# KiCad board q2v2.kicad_pcb (continued)
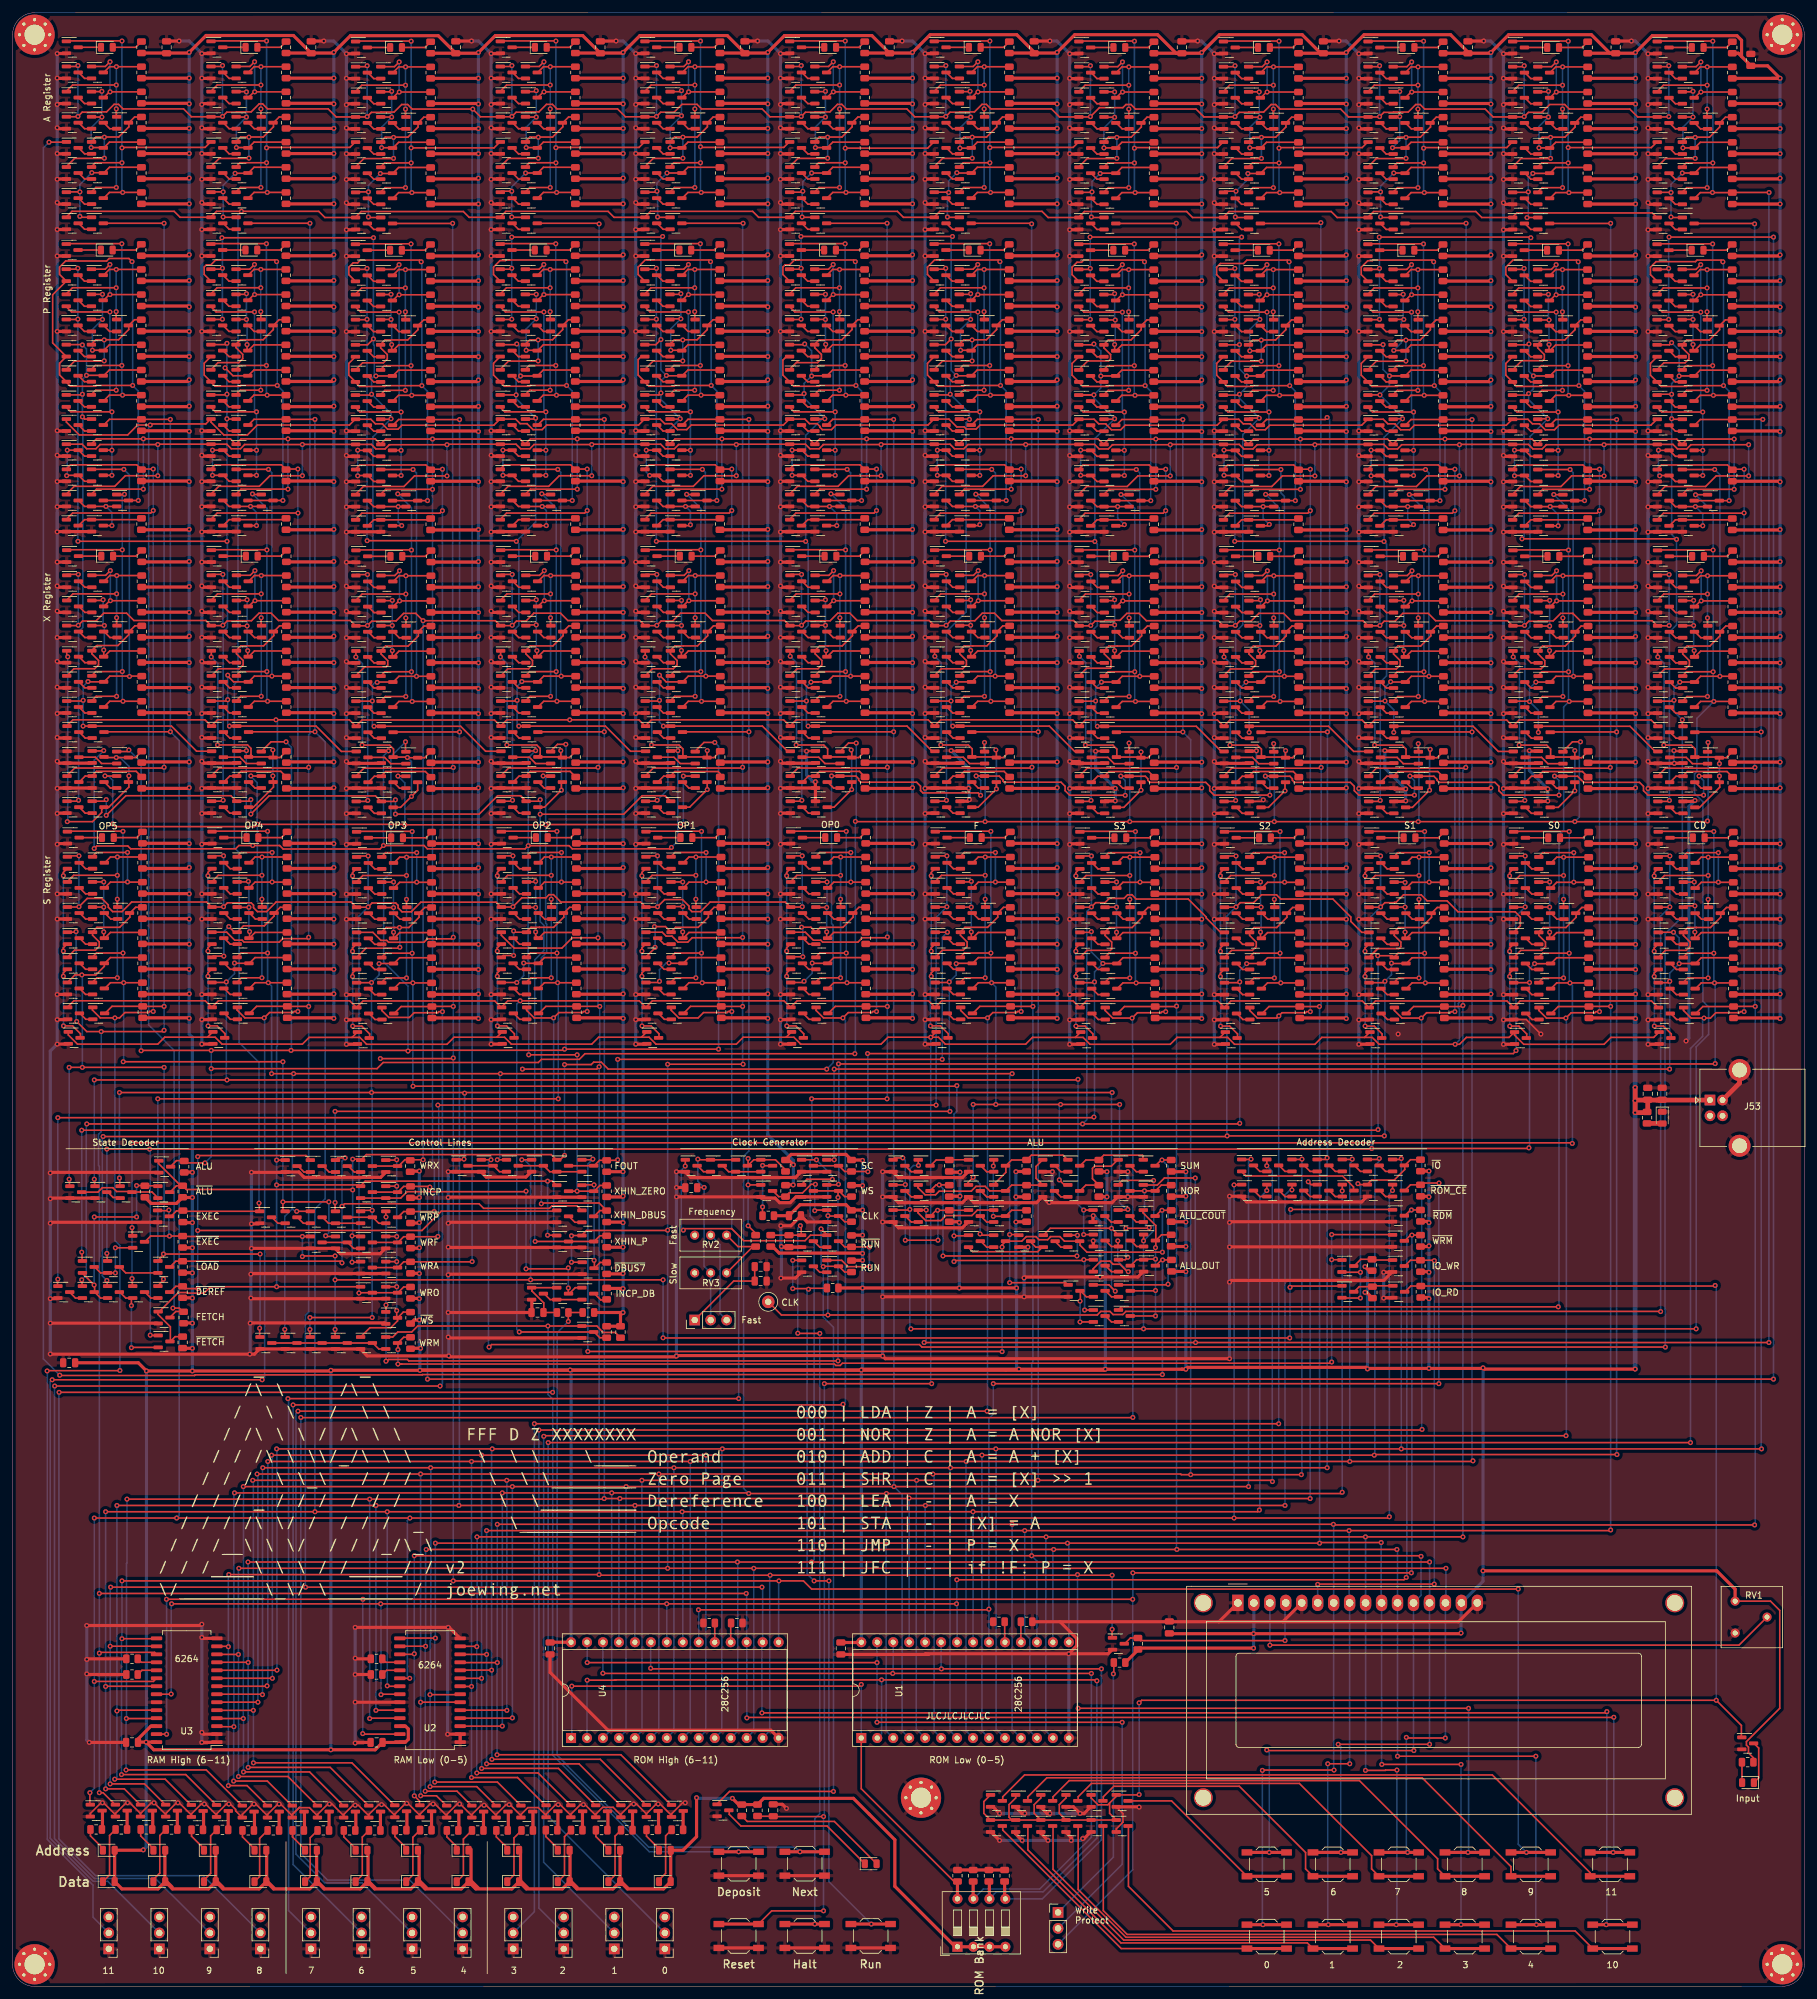
[diagram p0: board, top side]
## Routing (per net, layer and track width the routed paths; a pad name or vN(x,y) marks a point on that pad's centre or on a via; arc(x,y) is an arc through that point) (continued)
Net-(Q201-Pad2): length 2.4
  Top w0.25: 53.4,130.53 54.35,129.58 55.4,129.58
Net-(Q203-Pad2): length 6.4
  Top w0.25: 59.3,121.43 58.25,121.43 57.3,122.38 53.3,122.38
Net-(Q204-Pad2): length 2.4
  Top w0.25: 51.4,129.58 50.35,129.58 49.4,130.53
Net-(Q207-Pad2): length 2.4
  Top w0.25: 45.4,130.53 46.35,129.58 47.4,129.58
Net-(Q208-Pad2): length 6.4
  Top w0.25: 55.3,121.43 50.25,121.43 49.3,122.38
Net-(Q211-Pad2): length 2.4
  Top w0.25: 45.3,122.38 46.25,121.43 47.3,121.43
Net-(Q212-Pad2): length 10.4
  Top w0.25: 90.5,129.63 85.45,129.63 84.5,130.58 80.5,130.58
Net-(Q214-Pad2): length 2.4
  Top w0.25: 43.3,121.43 42.2,121.43 41.25,122.38
Net-(Q216-Pad2): length 6.4
  Top w0.25: 78.5,129.63 77.45,129.63 76.5,130.58 72.5,130.58
Net-(Q218-Pad2): length 18.4
  Top w0.25: 41.3,102.38 57.3,102.38 58.25,101.43 59.3,101.43
Net-(Q228-Pad2): length 6.4
  Top w0.25: 112.95,130.58 113.9,129.63 118.95,129.63
Net-(Q228-Pad3): length 22.4
  Top w0.25: 118.2,119.83 v1(117,121.03) ; v1(117,131.73) 117,130.63 ; Q229.1 121.35,131.53 122.95,129.92 ; 118.95,131.53 117.9,131.53 116.95,130.58 ; v1(117,127.53) 118.95,127.53
  Bottom w0.25: v1(117,121.03) v1(117,127.53) v1(117,131.73)
Net-(Q229-Pad3): length 9.6
  Top w0.25: Q229.3 119.35,130.58 v1(119.3,130.63) ; v1(119.3,124.03) 119.29,124.01 R99.2
  Bottom w0.25: v1(119.3,130.63) v1(119.3,124.03)
Net-(Q230-Pad3): length 14.1
  Top w0.25: v1(127.6,123.43) 127.7,123.53 129.45,123.53 ; 120.95,126.58 121.86,125.66 R96.2 123.54,126.25 125.65,126.25 127.02,127.63 v1(127.7,127.63)
  Bottom w0.25: v1(127.6,123.43) 127.6,127.53 v1(127.7,127.63)
Net-(Q232-Pad2): length 2.4
  Top w0.25: 110.95,129.63 109.9,129.63 108.95,130.58
Net-(Q236-Pad2): length 2.4
  Top w0.25: 127.45,118.58 128.4,117.63 129.45,117.63
Net-(Q236-Pad3): length 15.5
  Top w0.25: Q237.1 131.89,115.53 132.89,114.53 v1(136.3,114.53) ; 131.45,118.58 132.36,117.66 R100.2 136.26,117.66 v1(136.3,117.63)
  Bottom w0.25: v1(136.3,117.63) v1(136.3,114.53)
Net-(Q237-Pad2): length 2.4
  Top w0.25: 127.45,114.58 128.4,113.63 129.45,113.63
Net-(Q240-Pad2): length 6.4
  Top w0.25: 90.55,109.28 85.5,109.28 84.55,110.23
Net-(Q241-Pad3): length 2.4
  Top w0.25: 92.55,110.23 93.55,109.23 94.55,109.23
Net-(Q243-Pad2): length 2.4
  Top w0.25: 156,121.63 154.95,121.63 154,122.58
Net-(Q243-Pad3): length 14.6
  Top w0.25: R108.2 158.91,123.49 158,122.58 ; v1(156,130.53) 156.06,130.59 Q246.1 ; v1(156,122.53) 157.89,122.53
  Bottom w0.25: v1(156,130.53) v1(156,122.53)
Net-(Q244-Pad1): length 33.3
  Top w0.25: 151.96,123.49 v1(147.14,123.49) 146.91,123.49 146,122.58 ; 140,131.53 140.3,131.83 v1(141.6,131.83) ; v1(142,127.58) 141.95,127.53 140,127.53 ; v1(142,118.73) v1(147.2,118.73)
  Bottom w0.25: v1(147.14,123.49) 147.2,123.43 v1(147.2,118.73) ; v1(142,118.73) v1(142,127.58) 142,131.43 v1(141.6,131.83)
Net-(Q245-Pad2): length 2.4
  Top w0.25: 142,122.58 142.95,121.63 144,121.63
Net-(Q246-Pad2): length 2.4
  Top w0.25: 156,129.63 154.95,129.63 154,130.58
Net-(Q246-Pad3): length 14.7
  Top w0.25: 167.8,131.53 167.07,132.25 162.06,132.25 R110.2 158.91,131.49 158,130.58 158,129.53 156,127.53
Net-(Q248-Pad1): length 6.3
  Top w0.25: 146,130.58 146.91,131.49 R113.2 ; 152,131.53 149.04,131.53
Net-(Q249-Pad1): length 6.3
  Top w0.25: R105.2 214.21,111.34 213.4,110.53 ; 219.5,111.48 216.44,111.48
Net-(Q251-Pad2): length 2.4
  Top w0.25: 144,129.63 142.95,129.63 142,130.58
Net-(Q253-Pad2): length 2.4
  Top w0.25: 165.8,130.58 166.75,129.63 167.8,129.63
Net-(Q253-Pad3): length 11.4
  Top w0.25: 169.8,130.58 170.71,131.49 R114.2 173.56,132.25 179.72,132.25 179.8,132.18 179.8,131.53
Net-(Q254-Pad1): length 27.2
  Top w0.25: Q266.1 162.8,128.59 162.8,130.46 Q255.1 ; 163.76,127.49 R116.2 158.91,127.49 158,126.58 155.44,126.58 154.71,127.3 153.25,127.3 152.51,126.56 152.51,126.53 147.39,126.53 146.81,125.95 145.15,125.95 144.06,127.04 Q254.1 ; 144,127.53 144,127.1
Net-(Q254-Pad2): length 2.4
  Top w0.25: 144,125.63 142.95,125.63 142,126.58
Net-(Q254-Pad3): length 41.1
  Top w0.25: v1(169.3,116.23) v1(148,116.23) ; v1(169.38,119.51) 169.37,119.53 Q264.1 ; Q254.3 146.89,127.53 v1(147.4,127.53) 148.96,127.53
  Bottom w0.25: v1(147.4,127.53) 148,126.93 v1(148,116.23) ; v1(169.3,116.23) 169.38,116.31 v1(169.38,119.51)
Net-(Q256-Pad2): length 2.4
  Top w0.25: 156,125.63 154.95,125.63 154,126.58
Net-(Q257-Pad2): length 2.4
  Top w0.25: 177.8,130.58 178.75,129.63 179.8,129.63
Net-(Q260-Pad1): length 11.1
  Top w0.25: 175.8,131.53 174.78,130.5 172.11,130.5 171.77,130.16 171.77,128.51 R120.2 170.71,127.49 169.8,126.58
Net-(Q262-Pad2): length 2.4
  Top w0.25: 167.8,125.63 166.75,125.63 165.8,126.58
Net-(Q263-Pad2): length 2.4
  Top w0.25: 179.8,121.63 178.75,121.63 177.8,122.58
Net-(Q264-Pad2): length 2.4
  Top w0.25: 165.8,118.58 166.75,117.63 167.8,117.63
Net-(Q265-Pad2): length 2.4
  Top w0.25: 154,118.58 154.95,117.63 156,117.63
Net-(Q267-Pad2): length 2.4
  Top w0.25: 175.8,121.63 174.75,121.63 173.8,122.58
Net-(Q268-Pad2): length 14.8
  Top w0.25: 152,117.63 152.73,116.9 163.07,116.9 163.8,117.63 162.75,117.63 161.8,118.58
Net-(Q270-Pad2): length 2.4
  Top w0.25: 177.85,118.68 178.8,117.73 179.85,117.73
Net-(Q271-Pad2): length 2.4
  Top w0.25: 173.85,114.68 174.8,113.73 175.85,113.73
Net-(Q272-Pad2): length 2.4
  Top w0.25: 173.85,110.68 174.8,109.73 175.85,109.73
Net-(Q273-Pad2): length 2.4
  Top w0.25: 175.85,105.73 174.8,105.73 173.85,106.68
Net-(Q275-Pad2): length 16.5
  Top w0.25: 171.85,114.11 171.85,113.73 ; Q276.2 171.91,114.21 173.1,115.4 174.56,115.4 175.06,114.9 176.15,114.9 177.32,113.73 v1(177.47,113.73) ; 173.85,118.68 174.8,117.73 175.85,117.73 175.85,118.58 v1(175.8,118.63)
  Bottom w0.25: v1(175.8,118.63) 175.8,115.4 176.83,114.38 176.83,114.38 v1(177.47,113.73)
Net-(Q277-Pad2): length 9.4
  Top w0.25: 171.85,105.73 v1(169.8,105.73) ; 171.85,109.73 170.8,109.73 169.85,110.68 169.85,109.09 v1(169.8,109.04)
  Bottom w0.25: v1(169.8,105.73) v1(169.8,109.04)
Net-(Q284-Pad2): length 2.4
  Top w0.25: 56.7,154.8 57.65,153.85 58.7,153.85
Net-(Q286-Pad2): length 2.4
  Top w0.25: 56.5,280.5 57.45,279.55 58.5,279.55
Net-(Q288-Pad1): length 39.6
  Top w0.25: 60.5,304.5 61.41,305.41 v1(62.51,305.41) R129.2 ; v1(62.5,286.2) 59.25,286.2 58.5,285.45 ; v1(62.5,298.7) 62.5,297.45 ; 54.5,301.45 55.55,302.5 v1(62.5,302.5)
  Bottom w0.25: v1(62.5,286.2) v1(62.5,298.7) v1(62.5,302.5) 62.5,305.4 v1(62.51,305.41)
Net-(Q288-Pad2): length 2.4
  Top w0.25: 56.5,284.5 57.45,283.55 58.5,283.55
Net-(Q289-Pad1): length 21.2
  Top w0.25: 60.5,292.5 61.41,293.41 R131.2 ; v1(60.3,297.43) 58.58,297.43 ; Q289.1 60.22,301.45 v1(60.3,301.53) ; v1(58.7,292.55) 60.39,292.55
  Bottom w0.25: v1(60.3,301.53) v1(60.3,297.43) 58.7,295.83 v1(58.7,292.55)
Net-(Q289-Pad2): length 2.4
  Top w0.25: 56.5,300.5 57.45,299.55 58.5,299.55
Net-(Q289-Pad3): length 14.5
  Top w0.25: 60.5,300.5 61.41,301.41 v1(61.51,301.41) R126.2 ; v1(61.5,306.2) 60.75,305.45 58.5,305.45
  Bottom w0.25: v1(61.5,306.2) 61.5,301.42 v1(61.51,301.41)
Net-(Q293-Pad2): length 2.4
  Top w0.25: 56.5,288.5 57.45,287.55 58.5,287.55
Net-(Q294-Pad2): length 2.4
  Top w0.25: 56.5,304.5 57.45,303.55 58.5,303.55
Net-(Q295-Pad1): length 20.1
  Top w0.25: R130.2 65.41,297.41 64.5,296.5 64.5,295.85 62.88,294.22 60.63,294.22 ; 58.5,293.45 59.28,294.22 60.63,294.22 ; 60.63,294.22 v1(60.6,294.2) ; 54.5,289.45 55.87,290.82 60.56,290.82 v1(60.6,290.86)
  Bottom w0.25: v1(60.6,294.2) v1(60.6,290.86)
Net-(Q297-Pad2): length 2.4
  Top w0.25: 60.5,296.5 61.45,295.55 62.5,295.55
Net-(Q298-Pad2): length 2.4
  Top w0.25: 56.5,296.5 57.45,295.55 58.5,295.55
Net-(Q300-Pad2): length 2.4
  Top w0.25: 56.5,292.5 57.45,291.55 58.5,291.55
Net-(Q302-Pad2): length 2.3
  Top w0.25: 60.6,191.6 61.55,190.65 62.5,190.65
Net-(Q303-Pad2): length 2.4
  Top w0.25: 56.6,199.55 57.55,198.6 58.6,198.6
Net-(Q304-Pad2): length 2.4
  Top w0.25: 56.6,187.6 57.55,186.65 58.6,186.65
Net-(Q305-Pad2): length 6.4
  Top w0.25: 60.14,194.55 62.5,194.55 ; 60.18,194.55 59.18,195.55 56.6,195.55
Net-(Q307-Pad1): length 11
  Top w0.25: R133.2 65.66,193.29 59.35,193.29 58.6,192.55 57.55,192.55 56.6,191.6
Net-(Q312-Pad1): length 39.6
  Top w0.25: 60.55,223.54 61.46,224.45 v1(62.56,224.45) R138.2 ; v1(62.55,205.24) 59.3,205.24 58.55,204.49 ; v1(62.55,217.74) 62.55,216.49 ; 54.55,220.49 55.6,221.54 v1(62.55,221.54)
  Bottom w0.25: v1(62.55,205.24) v1(62.55,217.74) v1(62.55,221.54) 62.55,224.44 v1(62.56,224.45)
Net-(Q312-Pad2): length 2.4
  Top w0.25: 56.55,203.54 57.5,202.59 58.55,202.59
Net-(Q313-Pad1): length 18.8
  Top w0.25: 60.55,211.54 61.46,212.45 R140.2 ; v1(60.4,212.53) 60.4,211.62 ; Q313.1 60.36,220.49 v1(60.4,220.53) ; v1(60.4,216.53) 58.65,216.53
  Bottom w0.25: v1(60.4,212.53) v1(60.4,216.53) v1(60.4,220.53)
Net-(Q313-Pad2): length 2.4
  Top w0.25: 56.55,219.54 57.5,218.59 58.55,218.59
Net-(Q313-Pad3): length 14.5
  Top w0.25: 60.55,219.54 61.46,220.45 v1(61.56,220.45) R135.2 ; v1(61.55,225.24) 60.8,224.49 58.55,224.49
  Bottom w0.25: v1(61.55,225.24) 61.55,220.46 v1(61.56,220.45)
Net-(Q317-Pad2): length 2.4
  Top w0.25: 56.55,207.54 57.5,206.59 58.55,206.59
Net-(Q318-Pad2): length 2.4
  Top w0.25: 56.55,223.54 57.5,222.59 58.55,222.59
Net-(Q319-Pad1): length 18.6
  Top w0.25: R139.2 65.46,216.45 64.55,215.54 64.55,214.89 62.92,213.26 59.33,213.26 58.55,212.49 ; 54.55,208.49 56.02,209.96 59.4,209.96 59.68,210.24 59.68,210.94 58.61,212 Q324.1
Net-(Q321-Pad2): length 2.4
  Top w0.25: 60.55,215.54 61.5,214.59 62.55,214.59
Net-(Q322-Pad2): length 2.4
  Top w0.25: 56.55,215.54 57.5,214.59 58.55,214.59
Net-(Q324-Pad2): length 2.4
  Top w0.25: 56.55,211.54 57.5,210.59 58.55,210.59
Net-(Q326-Pad2): length 2.4
  Top w0.25: 56.5,248.4 57.45,247.45 58.5,247.45
Net-(Q328-Pad2): length 12
  Top w0.25: 56.5,244.4 57.45,243.45 58.5,243.45 ; 56.5,240.4 57.45,239.45 58.5,239.45 ; Q333.3 54.95,240.4 v1(54.9,240.35) ; Q332.3 54.93,244.4 v1(54.9,244.43)
  Bottom w0.25: v1(54.9,240.35) v1(54.9,244.43)
Net-(Q330-Pad2): length 11
  Top w0.25: 56.5,236.4 57.45,235.45 v1(61.35,235.45) 62.5,235.45 ; v1(61.9,232.43) 60.53,232.43
  Bottom w0.25: v1(61.9,232.43) 61.35,232.98 v1(61.35,235.45)
Net-(Q335-Pad1): length 10.2
  Top w0.25: 56.5,232.4 57.45,233.35 66.29,233.35
Net-(Q337-Pad1): length 39.6
  Top w0.25: 60.48,272.24 61.39,273.15 v1(62.49,273.15) R147.2 ; v1(62.48,253.94) 59.23,253.94 58.48,253.19 ; v1(62.48,266.44) 62.48,265.19 ; 54.48,269.19 55.53,270.24 v1(62.48,270.24)
  Bottom w0.25: v1(62.48,253.94) v1(62.48,266.44) v1(62.48,270.24) 62.48,273.14 v1(62.49,273.15)
Net-(Q337-Pad2): length 2.4
  Top w0.25: 56.48,252.24 57.43,251.29 58.48,251.29
Net-(Q338-Pad1): length 18.6
  Top w0.25: 60.48,260.24 61.39,261.15 R149.2 ; v1(60.2,265.23) 58.58,265.23 ; v1(60.2,269.23) 60.17,269.19 Q338.1 ; v1(60.3,261.23) 60.3,260.36
  Bottom w0.25: v1(60.3,261.23) 60.3,265.13 v1(60.2,265.23) v1(60.2,269.23)
Net-(Q338-Pad2): length 2.4
  Top w0.25: 56.48,268.24 57.43,267.29 58.48,267.29
Net-(Q338-Pad3): length 14.5
  Top w0.25: 60.48,268.24 61.39,269.15 v1(61.49,269.15) R144.2 ; v1(61.48,273.94) 60.73,273.19 58.48,273.19
  Bottom w0.25: v1(61.48,273.94) 61.48,269.17 v1(61.49,269.15)
Net-(Q342-Pad2): length 2.4
  Top w0.25: 56.48,256.24 57.43,255.29 58.48,255.29
Net-(Q343-Pad2): length 2.4
  Top w0.25: 56.48,272.24 57.43,271.29 58.48,271.29
Net-(Q344-Pad1): length 18.5
  Top w0.25: R148.2 65.39,265.15 64.48,264.24 64.48,263.59 62.86,261.97 59.26,261.97 58.48,261.19 ; Q349.1 58.54,260.71 59.61,259.64 59.61,258.94 58.99,258.33 55.68,258.33 Q344.1
Net-(Q346-Pad2): length 2.4
  Top w0.25: 60.48,264.24 61.43,263.29 62.48,263.29
Net-(Q347-Pad2): length 2.4
  Top w0.25: 56.48,264.24 57.43,263.29 58.48,263.29
Net-(Q349-Pad2): length 2.4
  Top w0.25: 56.48,260.24 57.43,259.29 58.48,259.29
Net-(Q353-Pad1): length 39.6
  Top w0.25: 60.66,178.76 61.57,179.67 v1(62.67,179.67) R154.2 ; v1(62.66,160.46) 59.41,160.46 58.66,159.71 ; v1(62.66,172.96) 62.66,171.71 ; 54.66,175.71 55.71,176.76 v1(62.66,176.76)
  Bottom w0.25: v1(62.66,160.46) v1(62.66,172.96) v1(62.66,176.76) 62.66,179.66 v1(62.67,179.67)
Net-(Q353-Pad2): length 2.4
  Top w0.25: 56.66,158.76 57.61,157.81 58.66,157.81
Net-(Q354-Pad1): length 19.1
  Top w0.25: 60.66,166.76 61.57,167.67 R156.2 ; Q354.1 60.58,175.71 v1(60.6,175.73) ; v1(60.6,171.66) 58.77,171.66 ; v1(60.6,167.73) 60.6,166.76
  Bottom w0.25: v1(60.6,175.73) v1(60.6,171.66) v1(60.6,167.73)
Net-(Q354-Pad2): length 2.4
  Top w0.25: 56.66,174.76 57.61,173.81 58.66,173.81
Net-(Q354-Pad3): length 17.1
  Top w0.25: 60.66,174.76 61.57,175.67 64.23,175.67 ; 64.27,175.67 64.27,175.68 v1(64.29,175.7) 64.25,175.7 64.23,175.67 ; 64.27,175.67 R151.2 ; 64.27,175.67 64.23,175.67 ; 58.66,179.71 59.35,180.39 v1(64.29,180.39)
  Bottom w0.25: v1(64.29,175.7) v1(64.29,180.39)
Net-(Q358-Pad2): length 2.4
  Top w0.25: 56.66,162.76 57.61,161.81 58.66,161.81
Net-(Q359-Pad2): length 2.4
  Top w0.25: 56.66,178.76 57.61,177.81 58.66,177.81
Net-(Q360-Pad1): length 20.8
  Top w0.25: R155.2 65.57,171.67 64.66,170.76 64.66,170.11 63.04,168.48 v1(61.54,168.48) 60.79,168.48 ; 58.66,167.71 59.44,168.48 60.79,168.48 ; 60.79,168.48 60.76,168.46 ; v1(61.6,165.33) 61.45,165.18 56.2,165.18 Q360.1
  Bottom w0.25: v1(61.6,165.33) 61.6,168.43 v1(61.54,168.48)
Net-(Q362-Pad2): length 2.4
  Top w0.25: 60.66,170.76 61.61,169.81 62.66,169.81
Net-(Q363-Pad2): length 2.4
  Top w0.25: 56.66,170.76 57.61,169.81 58.66,169.81
Net-(Q365-Pad2): length 2.4
  Top w0.25: 56.66,166.76 57.61,165.81 58.66,165.81
Net-(Q367-Pad2): length 2.4
  Top w0.25: 79.72,154.82 80.68,153.87 81.72,153.87
Net-(Q369-Pad2): length 2.4
  Top w0.25: 79.53,280.52 80.47,279.57 81.53,279.57
Net-(Q371-Pad1): length 39.6
  Top w0.25: 83.53,304.52 84.44,305.43 v1(85.54,305.43) R163.2 ; v1(85.53,286.22) 82.28,286.22 81.53,285.47 ; v1(85.53,298.72) 85.53,297.47 ; 77.53,301.47 78.57,302.52 v1(85.53,302.52)
  Bottom w0.25: v1(85.53,286.22) v1(85.53,298.72) v1(85.53,302.52) 85.53,305.42 v1(85.54,305.43)
Net-(Q371-Pad2): length 2.4
  Top w0.25: 79.53,284.52 80.47,283.57 81.53,283.57
Net-(Q372-Pad1): length 21.3
  Top w0.25: 83.53,292.52 84.44,293.43 R165.2 ; v1(83.3,297.43) 81.63,297.43 ; Q372.1 83.15,301.47 v1(83.3,301.63) ; v1(81.7,292.57) 83.41,292.57
  Bottom w0.25: v1(83.3,301.63) v1(83.3,297.43) 81.7,295.83 v1(81.7,292.57)
Net-(Q372-Pad2): length 2.4
  Top w0.25: 79.53,300.52 80.47,299.57 81.53,299.57
Net-(Q372-Pad3): length 14.5
  Top w0.25: 83.53,300.52 84.44,301.43 v1(84.54,301.43) R160.2 ; v1(84.53,306.22) 83.78,305.47 81.53,305.47
  Bottom w0.25: v1(84.53,306.22) 84.53,301.45 v1(84.54,301.43)
Net-(Q376-Pad2): length 2.4
  Top w0.25: 79.53,288.52 80.47,287.57 81.53,287.57
Net-(Q377-Pad2): length 2.4
  Top w0.25: 79.53,304.52 80.47,303.57 81.53,303.57
Net-(Q378-Pad1): length 20.1
  Top w0.25: R164.2 88.44,297.43 87.53,296.52 87.53,295.87 85.9,294.25 83.65,294.25 ; 81.53,293.47 82.3,294.25 83.65,294.25 ; 83.65,294.25 v1(83.62,294.22) ; 77.53,289.47 78.9,290.85 83.59,290.85 v1(83.62,290.88)
  Bottom w0.25: v1(83.62,294.22) v1(83.62,290.88)
Net-(Q380-Pad2): length 2.4
  Top w0.25: 83.53,296.52 84.47,295.57 85.53,295.57
Net-(Q381-Pad2): length 2.4
  Top w0.25: 79.53,296.52 80.47,295.57 81.53,295.57
Net-(Q383-Pad2): length 2.4
  Top w0.25: 79.53,292.52 80.47,291.57 81.53,291.57
Net-(Q385-Pad2): length 2.3
  Top w0.25: 83.63,191.62 84.58,190.67 85.53,190.67
Net-(Q386-Pad2): length 2.4
  Top w0.25: 79.62,199.57 80.57,198.62 81.62,198.62
Net-(Q387-Pad2): length 2.4
  Top w0.25: 79.63,187.62 80.58,186.67 81.63,186.67
Net-(Q388-Pad2): length 6.4
  Top w0.25: 83.2,194.57 82.2,195.57 79.63,195.57 ; 83.16,194.57 85.53,194.57
Net-(Q390-Pad1): length 11
  Top w0.25: R167.2 88.69,193.32 82.37,193.32 81.63,192.57 80.58,192.57 79.63,191.62
Net-(Q395-Pad1): length 39.6
  Top w0.25: 83.57,223.56 84.49,224.47 v1(85.59,224.47) R172.2 ; v1(85.57,205.26) 82.32,205.26 81.57,204.51 ; v1(85.57,217.76) 85.57,216.51 ; 77.57,220.51 78.62,221.56 v1(85.57,221.56)
  Bottom w0.25: v1(85.57,205.26) v1(85.57,217.76) v1(85.57,221.56) 85.57,224.46 v1(85.59,224.47)
Net-(Q395-Pad2): length 2.4
  Top w0.25: 79.57,203.56 80.53,202.61 81.57,202.61
Net-(Q396-Pad1): length 18.6
  Top w0.25: 83.57,211.56 84.49,212.47 R174.2 ; v1(83.4,212.53) 83.4,211.67 ; v1(83.3,220.63) 83.19,220.51 Q396.1 ; v1(83.3,216.63) 81.75,216.63
  Bottom w0.25: v1(83.3,220.63) v1(83.3,216.63) 83.3,212.63 v1(83.4,212.53)
Net-(Q396-Pad2): length 2.4
  Top w0.25: 79.57,219.56 80.53,218.61 81.57,218.61
Net-(Q396-Pad3): length 14.5
  Top w0.25: 83.57,219.56 84.49,220.47 v1(84.59,220.47) R169.2 ; v1(84.57,225.26) 83.82,224.51 81.57,224.51
  Bottom w0.25: v1(84.57,225.26) 84.57,220.49 v1(84.59,220.47)
Net-(Q400-Pad2): length 2.4
  Top w0.25: 79.57,207.56 80.53,206.61 81.57,206.61
Net-(Q401-Pad2): length 2.4
  Top w0.25: 79.57,223.56 80.53,222.61 81.57,222.61
Net-(Q402-Pad1): length 18.5
  Top w0.25: R173.2 88.49,216.47 87.57,215.56 87.57,214.91 85.95,213.29 82.35,213.29 81.57,212.51 ; Q402.1 78.78,209.65 82.08,209.65 82.7,210.26 82.7,210.96 81.64,212.03 Q407.1
Net-(Q404-Pad2): length 2.4
  Top w0.25: 83.57,215.56 84.52,214.61 85.57,214.61
Net-(Q405-Pad2): length 2.4
  Top w0.25: 79.57,215.56 80.53,214.61 81.57,214.61
Net-(Q407-Pad2): length 2.4
  Top w0.25: 79.57,211.56 80.53,210.61 81.57,210.61
Net-(Q409-Pad2): length 2.4
  Top w0.25: 79.53,248.42 80.47,247.47 81.53,247.47
Net-(Q411-Pad2): length 11.7
  Top w0.25: 79.53,244.42 80.47,243.47 81.53,243.47 ; 79.53,240.42 80.47,239.47 81.53,239.47 ; v1(78,240.43) 78,240.42 Q416.3 ; v1(78,244.43) 78,244.42 Q415.3
  Bottom w0.25: v1(78,240.43) v1(78,244.43)
Net-(Q413-Pad2): length 11.1
  Top w0.25: 79.53,236.42 80.47,235.47 v1(84.25,235.47) 85.53,235.47 ; 83.53,232.42 84.9,232.42 v1(84.9,232.43)
  Bottom w0.25: v1(84.25,235.47) 84.9,234.82 v1(84.9,232.43)
Net-(Q418-Pad1): length 10.2
  Top w0.25: 79.53,232.42 80.47,233.37 89.31,233.37
Net-(Q420-Pad1): length 39.6
  Top w0.25: 83.5,272.27 84.42,273.18 v1(85.52,273.18) R181.2 ; v1(85.5,253.97) 82.25,253.97 81.5,253.22 ; v1(85.5,266.47) 85.5,265.22 ; 77.5,269.22 78.56,270.27 v1(85.5,270.27)
  Bottom w0.25: v1(85.5,253.97) v1(85.5,266.47) v1(85.5,270.27) 85.5,273.17 v1(85.52,273.18)
Net-(Q420-Pad2): length 2.4
  Top w0.25: 79.5,252.27 80.46,251.32 81.5,251.32
Net-(Q421-Pad1): length 21
  Top w0.25: 83.5,260.27 84.42,261.18 R183.2 ; v1(83.3,269.23) 83.29,269.22 Q421.1 ; v1(83.3,265.33) 81.68,265.33 ; v1(81.7,260.32) 83.39,260.32
  Bottom w0.25: v1(81.7,260.32) 81.7,263.73 v1(83.3,265.33) v1(83.3,269.23)
Net-(Q421-Pad2): length 2.4
  Top w0.25: 79.5,268.27 80.46,267.32 81.5,267.32
Net-(Q421-Pad3): length 14.5
  Top w0.25: 83.5,268.27 84.42,269.18 v1(84.52,269.18) R178.2 ; v1(84.5,273.97) 83.75,273.22 81.5,273.22
  Bottom w0.25: v1(84.5,273.97) 84.5,269.19 v1(84.52,269.18)
Net-(Q425-Pad2): length 2.4
  Top w0.25: 79.5,256.27 80.46,255.32 81.5,255.32
Net-(Q426-Pad2): length 2.4
  Top w0.25: 79.5,272.27 80.46,271.32 81.5,271.32
Net-(Q427-Pad1): length 20.1
  Top w0.25: R182.2 88.42,265.18 87.5,264.27 87.5,263.62 85.88,261.99 83.63,261.99 ; 81.5,261.22 82.28,261.99 83.63,261.99 ; 83.63,261.99 v1(83.6,261.97) ; 77.5,257.22 78.88,258.59 83.57,258.59 v1(83.6,258.63)
  Bottom w0.25: v1(83.6,261.97) v1(83.6,258.63)
Net-(Q429-Pad2): length 2.4
  Top w0.25: 83.5,264.27 84.45,263.32 85.5,263.32
Net-(Q430-Pad2): length 2.4
  Top w0.25: 79.5,264.27 80.46,263.32 81.5,263.32
Net-(Q432-Pad2): length 2.4
  Top w0.25: 79.5,260.27 80.46,259.32 81.5,259.32
Net-(Q436-Pad1): length 39.6
  Top w0.25: 83.69,178.78 84.6,179.69 v1(85.7,179.69) R188.2 ; v1(85.69,160.48) 82.44,160.48 81.69,159.73 ; v1(85.69,172.98) 85.69,171.73 ; 77.69,175.73 78.74,176.78 v1(85.69,176.78)
  Bottom w0.25: v1(85.69,160.48) v1(85.69,172.98) v1(85.69,176.78) 85.69,179.68 v1(85.7,179.69)
Net-(Q436-Pad2): length 2.4
  Top w0.25: 79.69,158.78 80.64,157.83 81.69,157.83
Net-(Q437-Pad1): length 18.5
  Top w0.25: 83.69,166.78 84.6,167.69 R190.2 ; v1(83.2,167.78) 83.2,167.2 Q448.3 ; v1(83.2,175.83) 83.1,175.73 Q437.1 ; v1(83.2,171.68) 81.8,171.68
  Bottom w0.25: v1(83.2,167.78) v1(83.2,171.68) v1(83.2,175.83)
Net-(Q437-Pad2): length 2.4
  Top w0.25: 79.69,174.78 80.64,173.83 81.69,173.83
Net-(Q437-Pad3): length 17.1
  Top w0.25: 83.69,174.78 84.6,175.69 87.25,175.69 ; 87.3,175.69 87.3,175.71 v1(87.31,175.72) 87.28,175.72 87.25,175.69 ; 87.3,175.69 R185.2 ; 87.3,175.69 87.25,175.69 ; 81.69,179.73 82.37,180.42 v1(87.31,180.42)
  Bottom w0.25: v1(87.31,175.72) v1(87.31,180.42)
Net-(Q441-Pad2): length 2.4
  Top w0.25: 79.69,162.78 80.64,161.83 81.69,161.83
Net-(Q442-Pad2): length 2.4
  Top w0.25: 79.69,178.78 80.64,177.83 81.69,177.83
Net-(Q443-Pad1): length 18.2
  Top w0.25: R189.2 88.6,171.69 87.69,170.78 87.69,170.13 86.06,168.51 83.81,168.51 ; 81.69,167.73 82.46,168.51 83.81,168.51 ; 83.81,168.51 83.79,168.48 ; Q448.1 79.9,167.73 v1(79.7,167.93) ; v1(79.7,164.03) 78.04,164.03 Q443.1
  Bottom w0.25: v1(79.7,167.93) v1(79.7,164.03)
Net-(Q445-Pad2): length 2.4
  Top w0.25: 83.69,170.78 84.63,169.83 85.69,169.83
Net-(Q446-Pad2): length 2.4
  Top w0.25: 79.69,170.78 80.64,169.83 81.69,169.83
Net-(Q448-Pad2): length 2.4
  Top w0.25: 79.69,166.78 80.64,165.83 81.69,165.83
Net-(Q450-Pad2): length 2.4
  Top w0.25: 102.72,154.82 103.68,153.87 104.72,153.87
Net-(Q452-Pad2): length 2.4
  Top w0.25: 102.53,280.52 103.47,279.57 104.53,279.57
Net-(Q454-Pad1): length 39.6
  Top w0.25: 106.53,304.52 107.44,305.43 v1(108.54,305.43) R197.2 ; v1(108.53,286.22) 105.28,286.22 104.53,285.47 ; v1(108.53,298.72) 108.53,297.47 ; 100.53,301.47 101.57,302.52 v1(108.53,302.52)
  Bottom w0.25: v1(108.53,286.22) v1(108.53,298.72) v1(108.53,302.52) 108.53,305.42 v1(108.54,305.43)
Net-(Q454-Pad2): length 2.4
  Top w0.25: 102.53,284.52 103.47,283.57 104.53,283.57
Net-(Q455-Pad1): length 21.6
  Top w0.25: 106.53,292.52 107.44,293.43 R199.2 ; v1(104.6,292.53) 106.46,292.53 ; v1(106.4,301.63) 106.25,301.47 Q455.1 ; v1(106.4,297.63) 104.74,297.63
  Bottom w0.25: v1(104.6,292.53) 104.6,295.83 v1(106.4,297.63) v1(106.4,301.63)
Net-(Q455-Pad2): length 2.4
  Top w0.25: 102.53,300.52 103.47,299.57 104.53,299.57
Net-(Q455-Pad3): length 14.5
  Top w0.25: 106.53,300.52 107.44,301.43 v1(107.54,301.43) R194.2 ; v1(107.53,306.22) 106.78,305.47 104.53,305.47
  Bottom w0.25: v1(107.53,306.22) 107.53,301.45 v1(107.54,301.43)
Net-(Q459-Pad2): length 2.4
  Top w0.25: 102.53,288.52 103.47,287.57 104.53,287.57
Net-(Q460-Pad2): length 2.4
  Top w0.25: 102.53,304.52 103.47,303.57 104.53,303.57
Net-(Q461-Pad1): length 20.1
  Top w0.25: R198.2 111.44,297.43 110.53,296.52 110.53,295.87 108.9,294.25 106.65,294.25 ; 104.53,293.47 105.3,294.25 106.65,294.25 ; 106.65,294.25 v1(106.62,294.22) ; 100.53,289.47 101.9,290.85 106.59,290.85 v1(106.62,290.88)
  Bottom w0.25: v1(106.62,294.22) v1(106.62,290.88)
Net-(Q463-Pad2): length 2.4
  Top w0.25: 106.53,296.52 107.47,295.57 108.53,295.57
Net-(Q464-Pad2): length 2.4
  Top w0.25: 102.53,296.52 103.47,295.57 104.53,295.57
Net-(Q466-Pad2): length 2.4
  Top w0.25: 102.53,292.52 103.47,291.57 104.53,291.57
Net-(Q468-Pad2): length 2.3
  Top w0.25: 106.63,191.62 107.58,190.67 108.53,190.67
Net-(Q469-Pad2): length 2.4
  Top w0.25: 102.62,199.57 103.57,198.62 104.62,198.62
Net-(Q470-Pad2): length 2.4
  Top w0.25: 102.63,187.62 103.58,186.67 104.63,186.67
Net-(Q471-Pad2): length 6.4
  Top w0.25: 108.59,194.57 106.2,194.57 105.2,195.57 102.63,195.57
Net-(Q473-Pad1): length 11.3
  Top w0.25: 102.63,191.62 103.58,192.57 104.63,192.57 105.35,193.3 112.22,193.3 112.57,192.95 R201.2
Net-(Q478-Pad1): length 39.6
  Top w0.25: 106.57,223.56 107.49,224.47 v1(108.59,224.47) R206.2 ; v1(108.57,205.26) 105.32,205.26 104.57,204.51 ; v1(108.57,217.76) 108.57,216.51 ; 100.57,220.51 101.62,221.56 v1(108.57,221.56)
  Bottom w0.25: v1(108.57,205.26) v1(108.57,217.76) v1(108.57,221.56) 108.57,224.46 v1(108.59,224.47)
Net-(Q478-Pad2): length 2.4
  Top w0.25: 102.57,203.56 103.53,202.61 104.57,202.61
Net-(Q479-Pad1): length 18.7
  Top w0.25: 106.57,211.56 107.49,212.47 R208.2 ; Q479.1 106.38,220.51 v1(106.4,220.53) ; v1(106.39,212.56) 106.39,211.69 ; v1(106.4,216.53) 104.65,216.53
  Bottom w0.25: v1(106.39,212.56) 106.4,212.57 v1(106.4,216.53) v1(106.4,220.53)
Net-(Q479-Pad2): length 2.4
  Top w0.25: 102.57,219.56 103.53,218.61 104.57,218.61
Net-(Q479-Pad3): length 14.5
  Top w0.25: 106.57,219.56 107.49,220.47 v1(107.59,220.47) R203.2 ; v1(107.57,225.26) 106.82,224.51 104.57,224.51
  Bottom w0.25: v1(107.57,225.26) 107.57,220.49 v1(107.59,220.47)
Net-(Q483-Pad2): length 2.4
  Top w0.25: 102.57,207.56 103.53,206.61 104.57,206.61
Net-(Q484-Pad2): length 2.4
  Top w0.25: 102.57,223.56 103.53,222.61 104.57,222.61
Net-(Q485-Pad1): length 18.5
  Top w0.25: R207.2 111.49,216.47 110.57,215.56 110.57,214.91 108.95,213.29 106.7,213.29 ; 104.57,212.51 105.35,213.29 106.7,213.29 ; 106.7,213.29 106.68,213.26 ; Q490.1 104.64,212.03 105.7,210.96 105.7,210.26 105.08,209.65 101.78,209.65 Q485.1
Net-(Q487-Pad2): length 2.4
  Top w0.25: 106.57,215.56 107.52,214.61 108.57,214.61
Net-(Q488-Pad2): length 2.4
  Top w0.25: 102.57,215.56 103.53,214.61 104.57,214.61
